# Altium PCB Ali_Main_Board.PcbDoc (part 1 of 3)
Units mm, origin at the board's own origin, x right, y up, seen from the top; angles counter-clockwise.
Board outline 180.2 x 130.2 mm, 2 copper layers (Top Layer, Bottom Layer); 286 components, 198 nets, 878 pads, 305 vias.
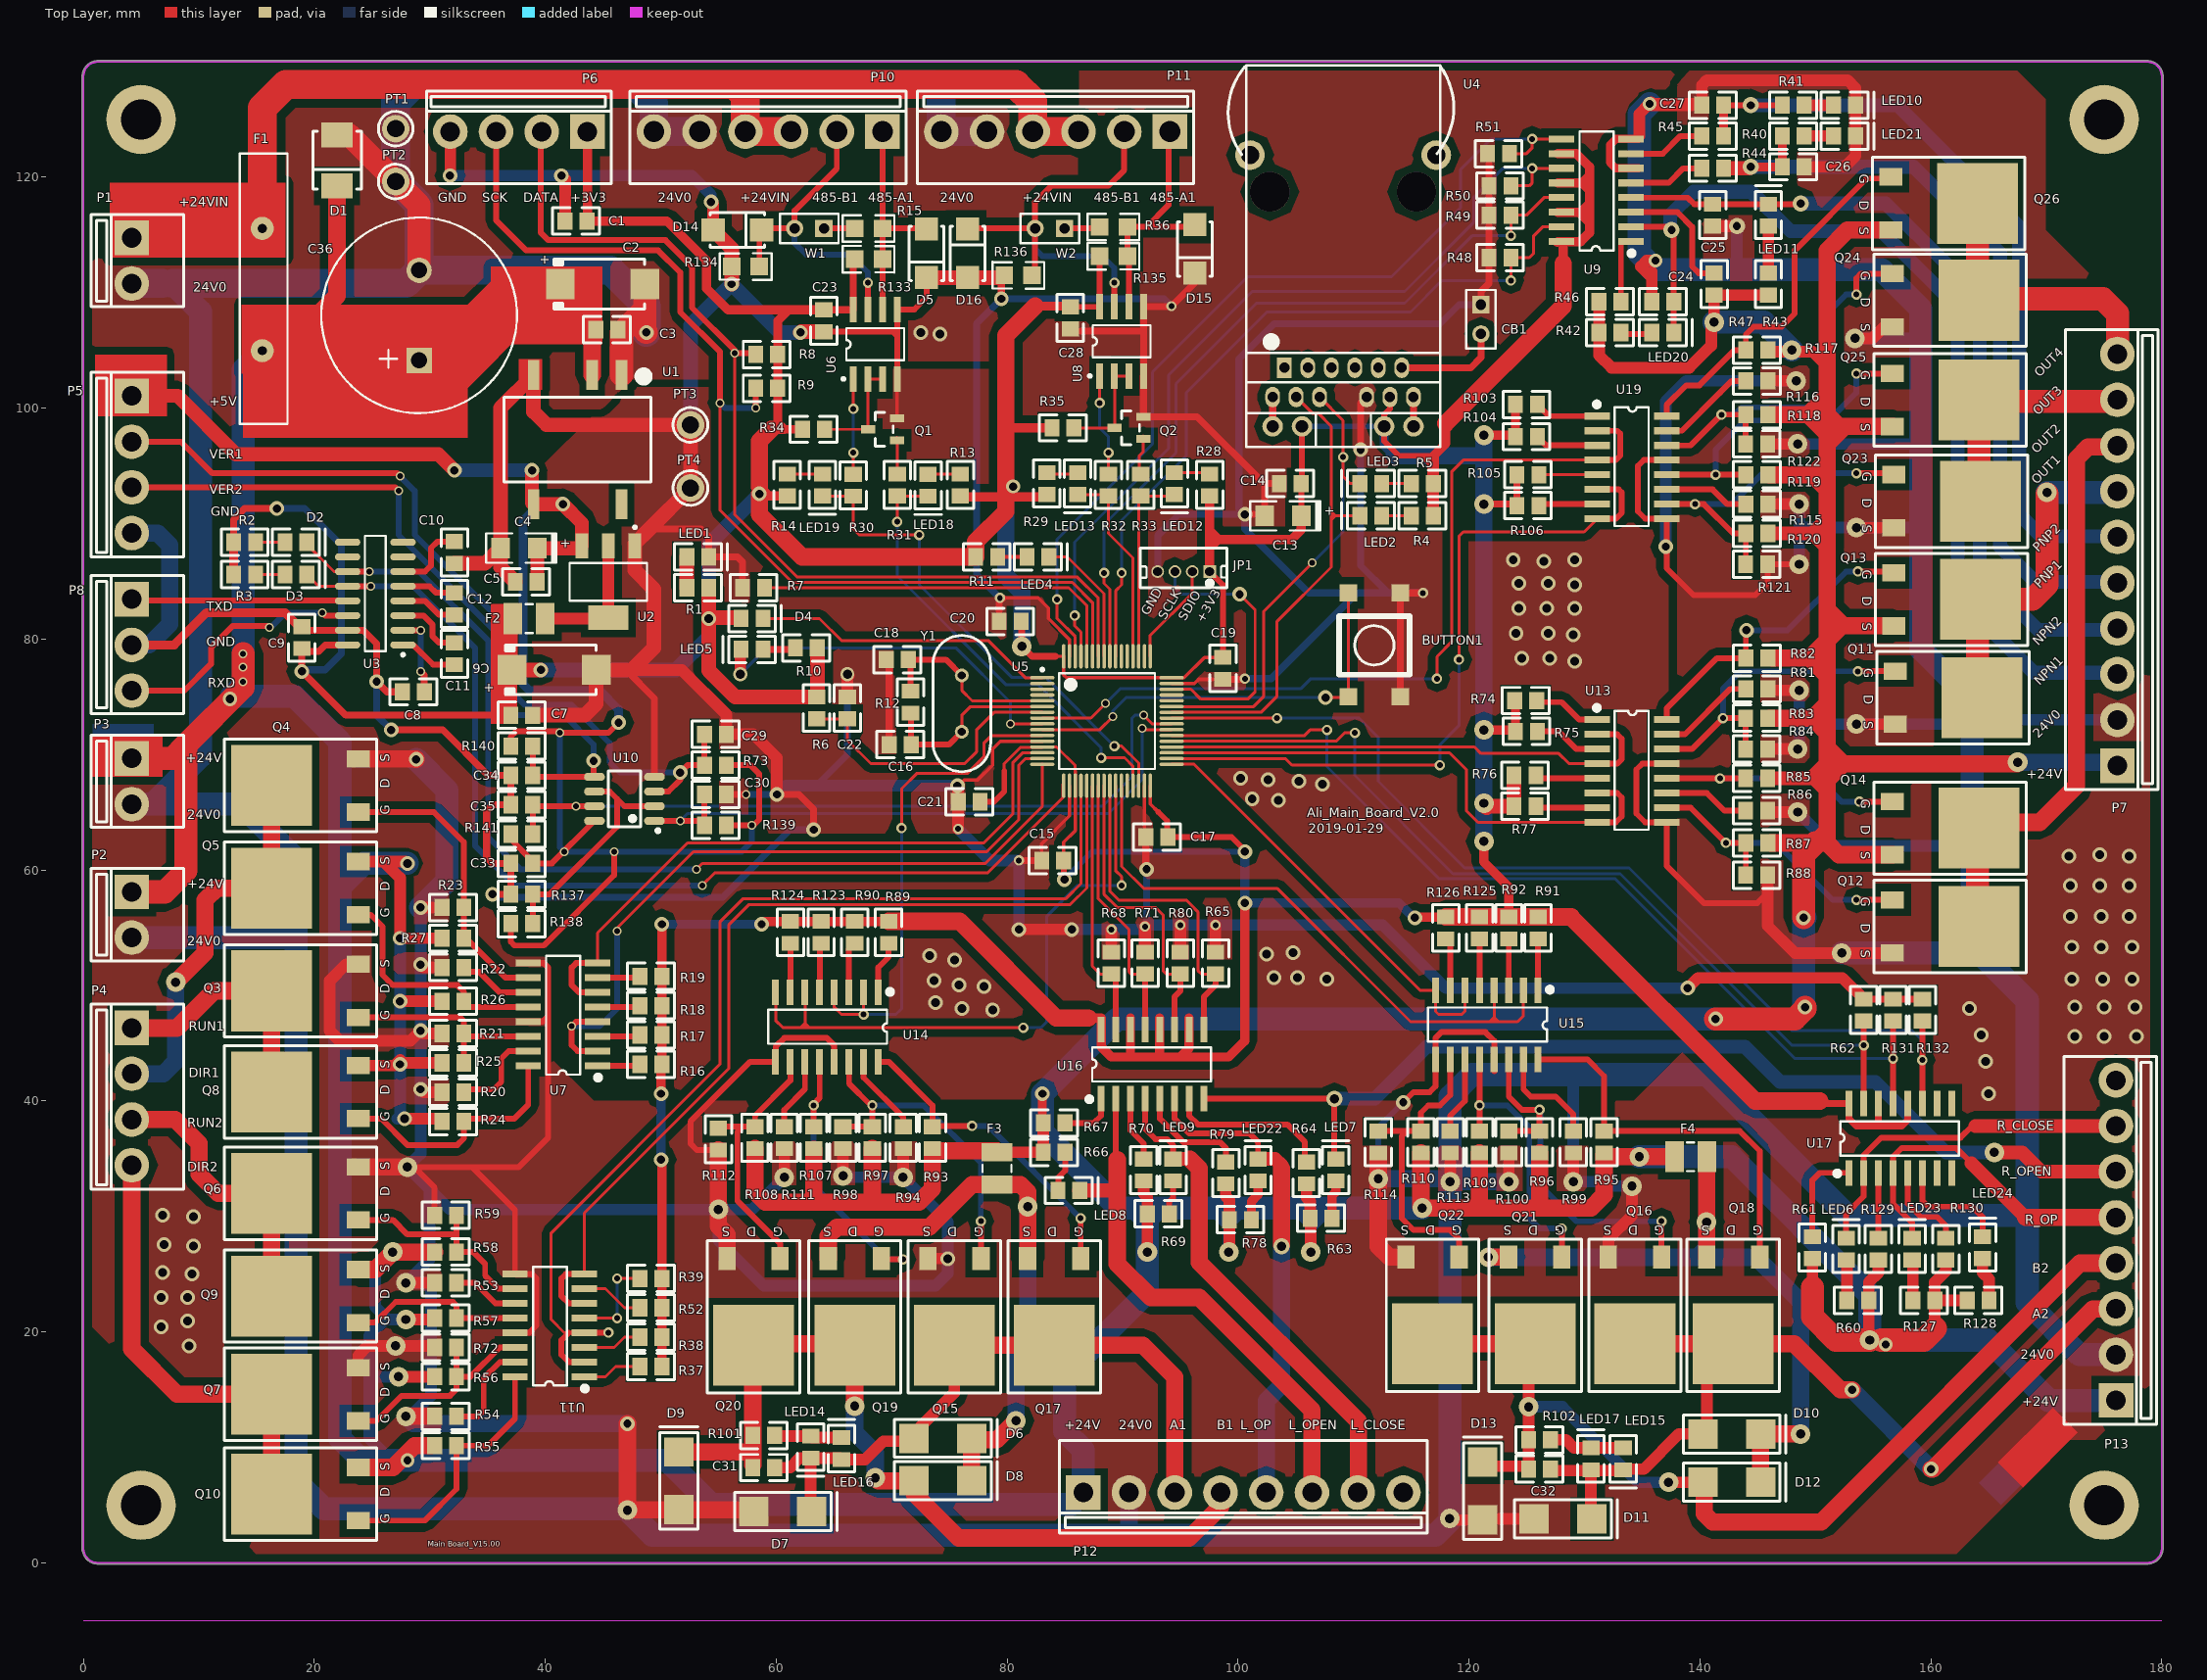
[diagram p0: Top Layer view]
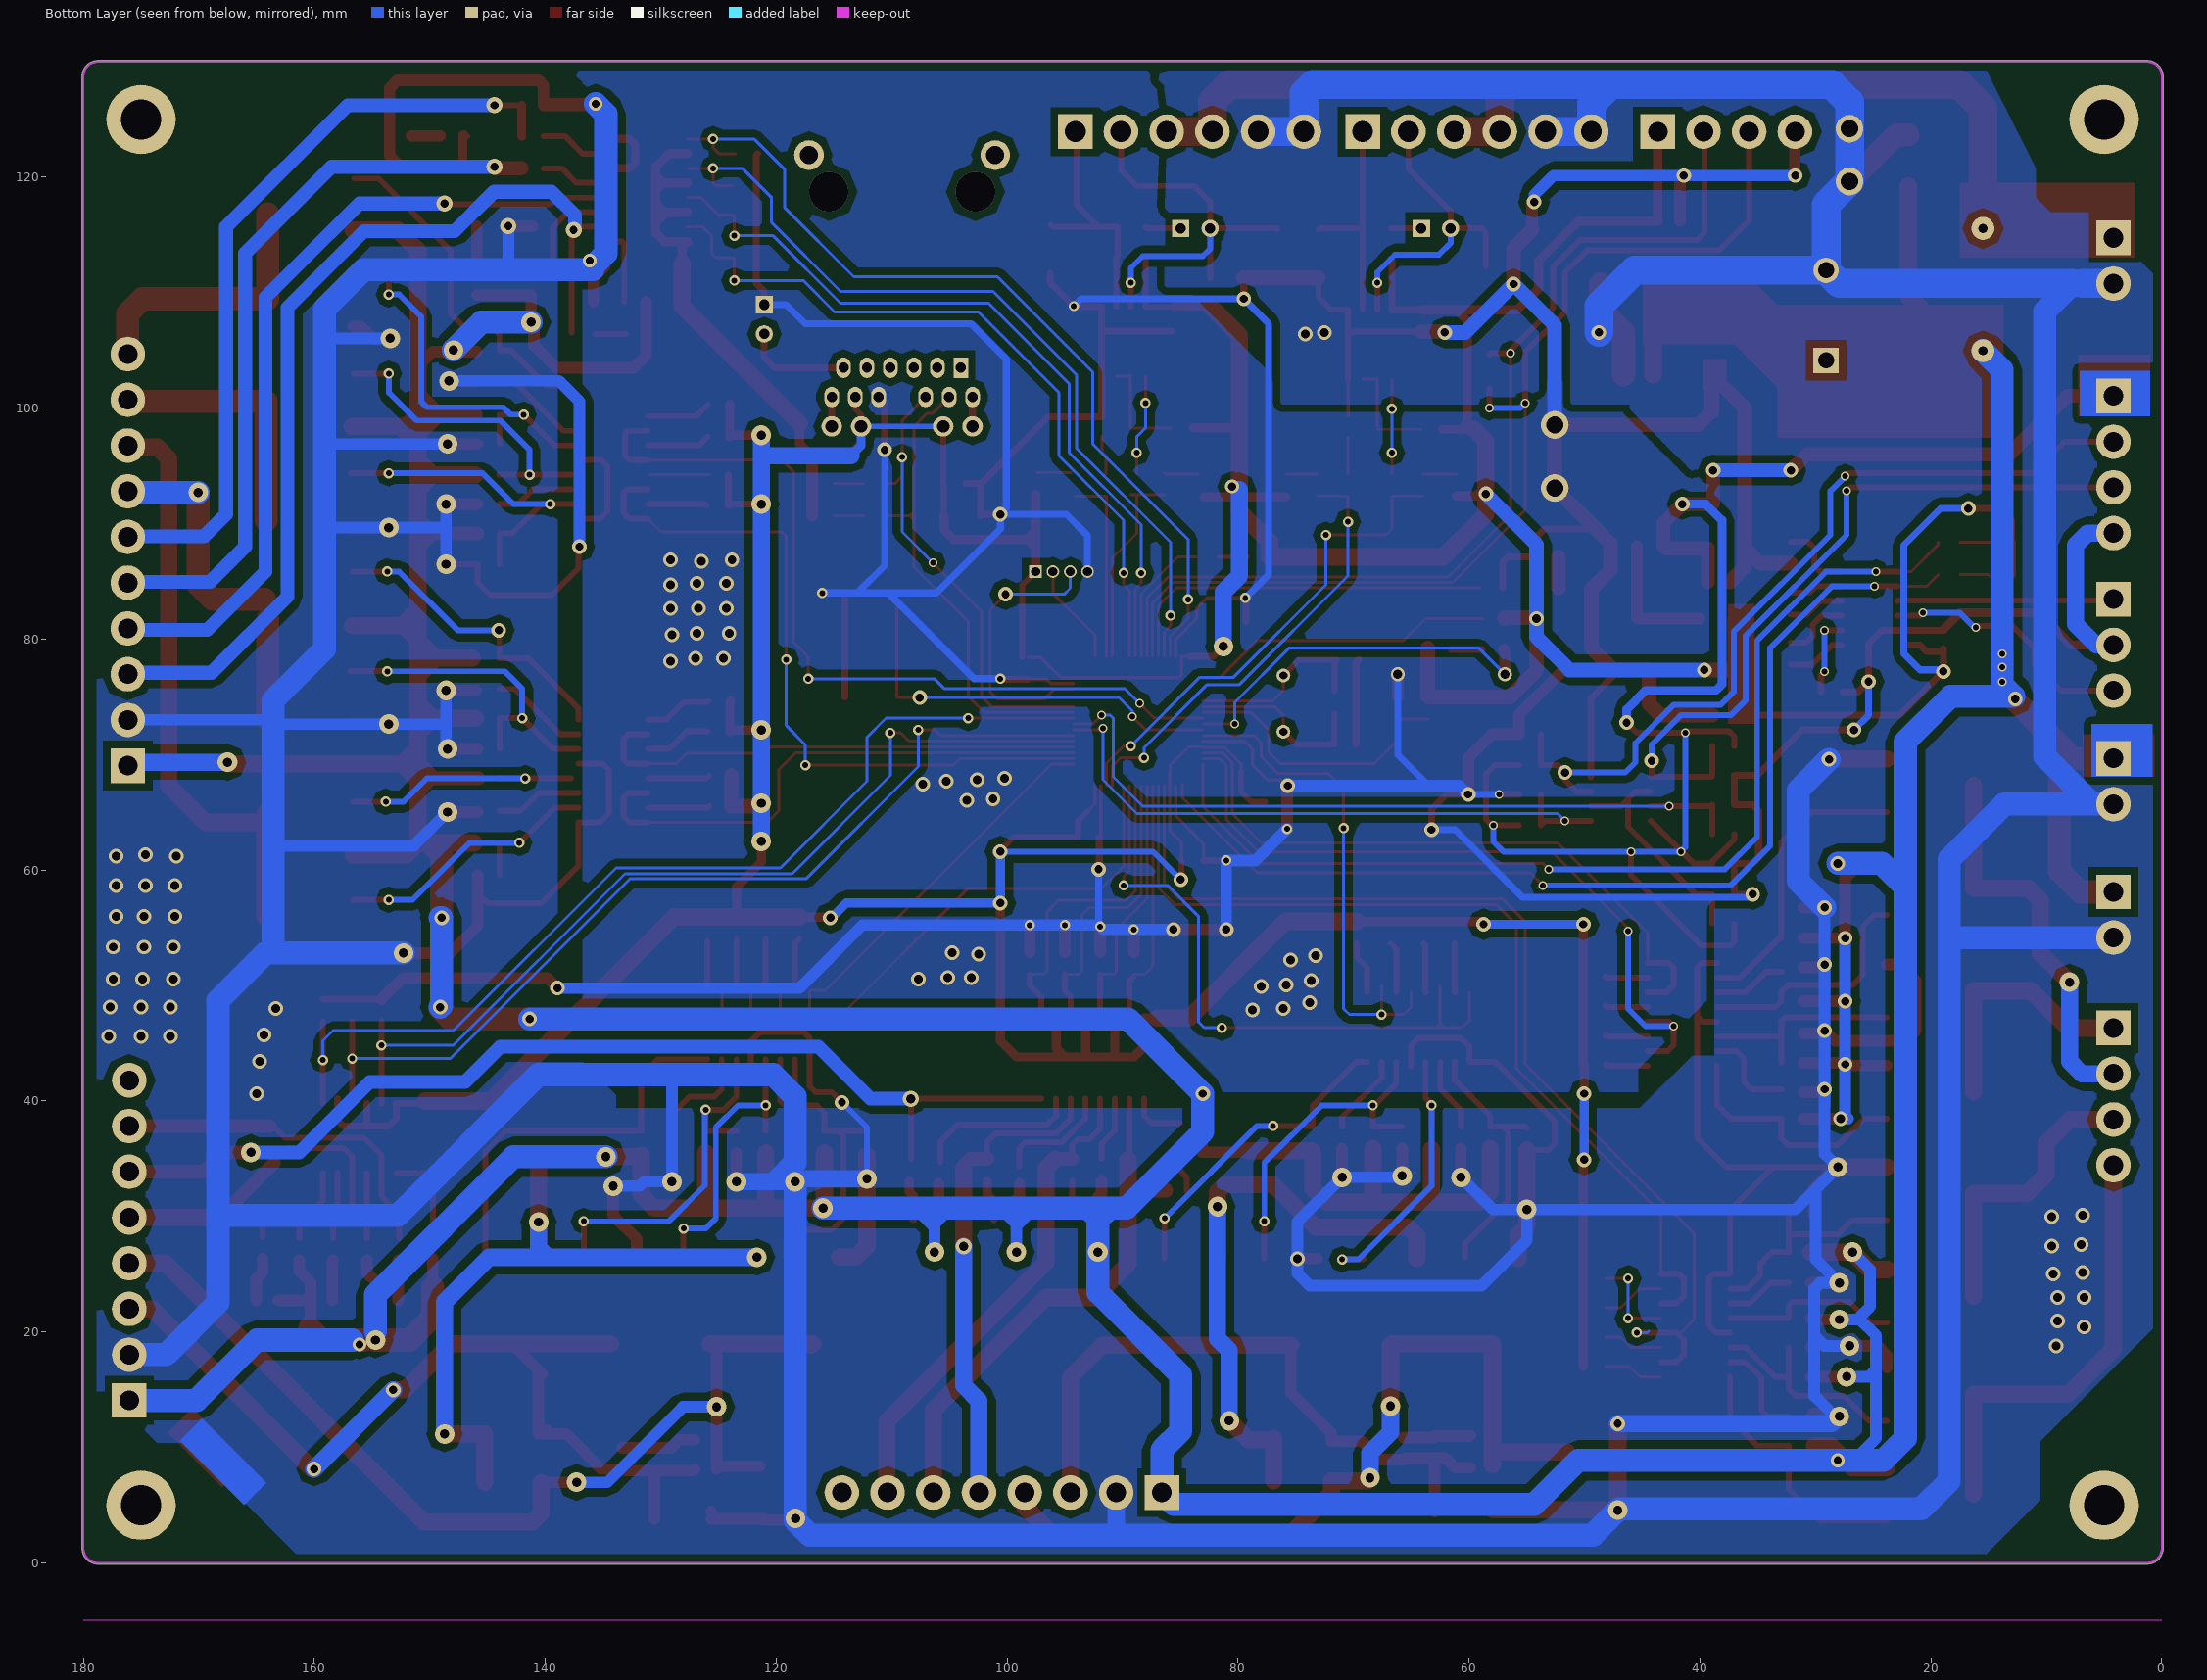
[diagram p1: Bottom Layer view, seen from below]

## Layer stack, top to bottom
Top Solder: solder mask 0.0102, Solder Resist, Dk 3.5
Top Layer: signal copper 0.0356
Dielectric1: dielectric 0.32, FR-4, Dk 4.8
Bottom Layer: signal copper 0.0356
Bottom Solder: solder mask 0.0102, Solder Resist, Dk 3.5

## Board outline
-0.089,1.098 cw(c0,1.143) -0.1,1.143 -0.1,128.73 cw(c1.27,128.73) 1.27,130.1 178.73,130.1 cw(c178.73,128.73) 180.1,128.73 180.1,1.27 cw(c178.73,1.27) 178.73,-0.1 1.27,-0.1 cw(c1.27,1.27)

## Design rules (kind name [scope] priority, off if disabled: settings)
Clearance Clearance_1 [InPolygon] p1: gap=0.635
Clearance [All] p2: gap=0.152
ComponentClearance [All] p1: gap=0 collisioncheckmode=3 verticalgap=0 showdistances=FALSE
PolygonConnect [All] p1: connectstyle=Direct reliefconductorwidth=0.254 reliefentries=4 polygonreliefangle="90 Angle" airgapwidth=0.254
RoutingVias [All] p1: holewidth=0.711 width=1.27 viastyle="Through Hole" minholewidth=0.711 minwidth=1.27 maxholewidth=0.711 maxwidth=1.27
SilkToSilkClearance [All] p1: silktosilkclearance=0
SilkToSolderMaskClearance [IsPad] p1: minsilkscreentomaskgap=0 clearancetoexposedcopper=TRUE
SolderMaskExpansion [All] p1: expansion=0.102
Width [All] p1: maxlimit=3 minlimit=0.12 preferedwidth=0.254
26 further rules are at their usual default settings.

## Components (designator, comment, footprint, x,y, rotation, side; value= is the part's Value field where it differs from the comment)
BUTTON1 "SW4" BUTTON 111.76,79.502 r270 top
C1 "100nF" 0805#1 42.672,116.205 r0 top
C2 "Cap Pol3" "CAP D-7343" 44.958,110.744 r0 top
C3 "100nF" 0805#1 45.339,106.807 r180 top
C4 "Cap Pol3" "CAP A-3216" 37.719,87.884 r180 top
C5 "100nF" 0805#1 38.354,84.963 r0 top
C6 "Cap Pol3" "CAP D-7343" 40.767,77.343 r0 top
C7 "100nF" 0805#1 37.973,73.406 r180 top
C8 "100nF" 0805#1 28.575,75.438 r180 top
C9 "100nF" 0805#1 18.923,80.137 r90 top
C10 "100nF" 0805#1 32.131,87.503 r270 top
C11 "100nF" 0805#1 32.131,78.74 r270 top
C12 "100nF" 0805#1 32.131,83.058 r90 top
C13 "Cap Pol3" "CAP A-3216" 103.886,90.678 r180 top
C14 "100nF" 0805#1 104.521,93.472 r0 top
C15 "100nF" 0805#1 83.947,60.833 r0 top
C16 "" 0805#1 70.739,70.866 r0 top
C17 "100nF" 0805#1 92.964,62.865 r0 top
C18 "" 0805#1 70.485,78.232 r0 top
C19 "100nF" 0805#1 98.679,77.47 r90 top
C20 "100nF" 0805#1 80.264,81.534 r0 top
C21 "100nF" 0805#1 76.708,65.913 r0 top
C22 "Cap" 0805#1 66.167,74.041 r270 top
C23 "100nF" 0805#1 64.135,107.569 r270 top
C24 "Cap" 0805#1 136.779,109.22 r0 top
C25 "Cap" 0805#1 141.097,116.713 r90 top
C26 "Cap" 0805#1 148.082,120.904 r180 top
C27 "Cap" 0805#1 141.097,126.238 r0 top
C28 "100nF" 0805#1 85.471,107.823 r270 top
C29 "100nF" 0805#1 54.737,71.755 r0 top
C30 "100nF" 0805#1 54.737,66.548 r180 top
C31 "100nF" 0805#1 58.928,8.255 r0 top
C32 "100nF" 0805#1 126.111,8.128 r0 top
C33 "100nF" 0805#1 37.973,60.579 r0 top
C34 "100nF" 0805#1 37.973,68.199 r180 top
C35 "100nF" 0805#1 37.973,65.659 r0 top
C36 "C_2200uF" C7.8*17 29.083,104.14 r90 top
CB1 "Circuit Breaker" HDR1X2 121.031,108.966 r270 top
D1 "SMAJ24CA" SMB(DO-214AA)_S1 21.971,121.463 r90 top
D2 "RS232_TXD" LED-0805 18.415,88.392 r0 top
D3 "RS232_RXD" LED-0805 18.415,85.598 r0 top
D4 "Diode 1N4148" LED-0805 57.912,81.788 r0 top
D5 "SMAJ6.5CA" SMA(DO-214AC)_S1 73.025,113.411 r90 top
D6 "SS54" SMA 74.422,10.795 r0 top
D7 "SS54" SMA 60.579,4.445 r0 top
D8 "SS54" SMA 74.422,7.112 r0 top
D9 "SS54" SMA 51.562,7.112 r90 top
D10 "SS54" SMA 142.748,11.176 r0 top
D11 "SS54" SMA 128.143,3.81 r0 top
D12 "SS54" SMA 142.748,6.985 r0 top
D13 "SS54" SMA 121.158,6.223 r90 top
D14 "SMAJ6.5CA" SMA(DO-214AC)_S1 56.642,115.443 r180 top
D15 "SMAJ6.5CA" SMA(DO-214AC)_S1 96.266,113.792 r90 top
D16 "SMAJ6.5CA" SMA(DO-214AC)_S1 76.581,113.411 r270 top
F1 "X30UF900" X30UF900 15.494,115.57 r270 top
F2 "Fuse 1A" 3225[1210] 38.608,81.788 r180 top
F3 "Fuse 3A" 3225[1210] 79.121,34.163 r90 top
F4 "Fuse 3A" 3225[1210] 139.192,35.179 r180 top
JP1 "4 HEADER" CON4_1.5 97.536,85.852 r180 top
LED1 "LED" LED-0805 53.213,87.122 r0 top
LED2 "TXD" LED-0805 111.492,90.678 r180 top
LED3 "RXD" LED-0805 111.492,93.472 r180 top
LED4 "TEST" LED-0805 82.677,87.122 r0 top
LED5 "WORKING" LED-0805 57.912,79.121 r180 top
LED6 "LED" LED-0805 152.654,27.178 r90 top
LED7 "LED" LED-0805 108.458,34.036 r90 top
LED8 "LED" LED-0805 85.344,32.258 r0 top
LED9 "LED" LED-0805 94.361,34.036 r90 top
LED10 "LED" LED-0805 152.527,126.238 r0 top
LED11 "LED" LED-0805 145.923,116.713 r90 top
LED12 "RS485_TXD" LED-0805 94.488,93.472 r270 top
LED13 "RS485_RXD" LED-0805 86.106,93.472 r270 top
LED14 "LED" LED-0805 62.992,10.033 r270 top
LED15 "LED" LED-0805 133.35,9.017 r270 top
LED16 "LED" LED-0805 65.659,9.906 r90 top
LED17 "LED" LED-0805 130.556,9.017 r90 top
LED18 "RS485_TXD" LED-0805 73.152,93.331 r270 top
LED19 "RS485_RXD" LED-0805 64.008,93.345 r270 top
LED20 "LED" LED-0805 136.779,106.553 r0 top
LED21 "LED" LED-0805 152.527,123.571 r0 top
LED22 "LED" LED-0805 101.727,34.036 r90 top
LED23 "LED" LED-0805 158.369,27.178 r90 top
LED24 "LED" LED-0805 164.465,27.305 r90 top
P1 "POWER" "VH3.96  2PIN" 4.191,112.776 r270 top
P2 "电动滚筒1驱动卡电源" "VH3.96  2PIN" 4.191,56.134 r270 top
P3 "电动滚筒2驱动卡电源" "VH3.96  2PIN" 4.191,67.691 r270 top
P4 "电动滚筒控制端口" "VH3.96  4PIN" 4.191,40.386 r270 top
P5 "接震动传感器" "VH3.96  4PIN" 4.191,95.123 r270 top
P6 "接温湿度传感器" "VH3.96  4PIN" 37.719,123.952 r180 top
P7 "信号输入输出端口" "VH3.96  10PIN" 176.149,86.868 r90 top
P8 "RS232" "VH3.96  3PIN" 4.191,79.502 r270 top
P10 "接1柜组水平板端口" "VH3.96  6PIN" 59.309,123.952 r180 top
P11 "接2柜组水平板端口" "VH3.96  6PIN" 84.201,123.952 r180 top
P12 "Header 8" "VH3.96  8PIN" 100.457,6.096 r0 top
P13 "Header 8" "VH3.96  8PIN" 176.022,27.94 r90 top
PT1 "24V0" PLUG 27.051,124.206 r0 top
PT2 "24V0" PLUG 27.051,119.634 r0 top
PT3 "GND" PLUG 52.578,98.552 r0 top
PT4 "GND" PLUG 52.578,93.091 r0 top
Q1 "S8050" SOT-23(SOT-23-3) 69.215,98.171 r0 top
Q2 "S8050" SOT-23(SOT-23-3) 90.551,98.298 r0 top
Q3 "FR4105 (NMOS-2)" TO-252 20.066,49.544 r90 top
Q4 "FR4105 (NMOS-2)" TO-252 20.066,67.324 r90 top
Q5 "PMOS-FR5305" TO-252 20.066,58.434 r90 top
Q6 "FR4105 (NMOS-2)" TO-252 20.066,32.004 r90 top
Q7 "FR4105 (NMOS-2)" TO-252 20.066,14.605 r90 top
Q8 "PMOS-FR5305" TO-252 20.066,40.781 r90 top
Q9 "PMOS-FR5305" TO-252 20.066,23.114 r90 top
Q10 "PMOS-FR5305" TO-252 20.066,5.969 r90 top
Q11 "FR4105 (NMOS-2)" TO-252 160.655,74.93 r270 top
Q12 "FR4105 (NMOS-2)" TO-252 160.401,55.118 r270 top
Q13 "PMOS-FR5305" TO-252 160.528,83.439 r270 top
Q14 "PMOS-FR5305" TO-252 160.401,63.627 r270 top
Q15 "FR4105 (NMOS-2)" TO-252 75.438,22.606 r180 top
Q16 "FR4105 (NMOS-2)" TO-252 134.366,22.733 r180 top
Q17 "FR5305 (PMOS-2)" TO-252 84.074,22.606 r180 top
Q18 "FR5305 (PMOS-2)" TO-252 142.875,22.733 r180 top
Q19 "FR5305 (PMOS-2)" TO-252 66.802,22.606 r180 top
Q20 "FR4105 (NMOS-2)" TO-252 58.039,22.606 r180 top
Q21 "FR5305 (PMOS-2)" TO-252 125.73,22.733 r180 top
Q22 "FR4105 (NMOS-2)" TO-252 116.84,22.733 r180 top
Q23 "FR4105 (NMOS-2)" TO-252 160.528,91.948 r270 top
Q24 "FR4105 (NMOS-2)" TO-252 160.401,109.347 r270 top
Q25 "PMOS-FR5305" TO-252 160.401,100.711 r270 top
Q26 "PMOS-FR5305" TO-252 160.274,117.729 r270 top
R1 "1K" 0805#1 53.213,84.455 r180 top
R2 "1K" 0805#1 13.97,88.392 r0 top
R3 "1K" 0805#1 13.97,85.598 r0 top
R4 "1K" 0805#1 115.951,90.678 r180 top
R5 "1K" 0805#1 115.951,93.472 r180 top
R6 "10K" 0805#1 63.5,74.041 r270 top
R7 "10K" 0805#1 58.039,84.455 r0 top
R8 "1K" 0805#1 59.182,104.648 r180 top
R9 "1K" 0805#1 59.182,101.727 r180 top
R10 "1K" 0805#1 62.611,79.248 r180 top
R11 "1K" 0805#1 78.232,87.122 r0 top
R12 "1MΩ" 0805#1 71.628,74.549 r90 top
R13 "1K" 0805#1 75.946,93.345 r90 top
R14 "1K" 0805#1 60.96,93.345 r90 top
R15 "120R" 0805#2 66.802,115.57 r0 top (schematic designator R133)
R16 "470R" 0805#1 49.149,43.18 r0 top
R17 "470R" 0805#1 49.149,45.72 r180 top
R18 "470R" 0805#1 49.149,48.26 r180 top
R19 "470R" 0805#1 49.149,50.8 r180 top
R20 "2.2K" 0805#1 32.004,40.767 r0 top
R21 "2.2K" 0805#1 32.004,45.847 r0 top
R22 "2.2K" 0805#1 32.004,51.562 r0 top
R23 "2.2K" 0805#1 32.004,56.769 r0 top
R24 "2.2K" 0805#1 32.004,38.227 r180 top
R25 "2.2K" 0805#1 32.004,43.307 r180 top
R26 "2.2K" 0805#1 32.004,48.641 r180 top
R27 "2.2K" 0805#1 32.004,54.102 r180 top
R28 "1K" 0805#1 97.536,93.345 r90 top
R29 "1K" 0805#1 83.439,93.472 r90 top
R30 "1K" 0805#1 66.675,93.331 r270 top
R31 "4.7K" 0805#1 70.485,93.345 r90 top
R32 "1K" 0805#1 88.773,93.345 r270 top
R33 "4.7K" 0805#1 91.567,93.345 r90 top
R34 "4.7K" 0805#1 63.246,98.171 r0 top
R35 "4.7K" 0805#1 84.836,98.298 r0 top
R36 "120R" 0805#2 88.011,115.697 r0 top (schematic designator R135)
R37 "470R" 0805#1 49.149,17.018 r180 top
R38 "470R" 0805#1 49.149,19.558 r180 top
R39 "470R" 0805#1 49.149,24.638 r0 top
R40 "4.7K" 0805#1 148.082,123.571 r0 top
R41 "4.7K" 0805#1 148.082,126.238 r0 top
R42 "4.7K" 0805#1 132.207,106.553 r0 top
R43 "4.7K" 0805#1 145.923,110.744 r90 top
R44 "4.7K" 0805#1 141.097,120.777 r180 top
R45 "4.7K" 0805#1 141.097,123.571 r180 top
R46 "4.7K" 0805#1 132.207,109.22 r0 top
R47 "4.7K" 0805#1 141.224,110.744 r90 top
R48 "1K" 0805#1 122.682,113.03 r0 top
R49 "1K" 0805#1 122.682,116.713 r0 top
R50 "1K" 0805#1 122.682,119.253 r0 top
R51 "1K" 0805#1 122.555,122.047 r0 top
R52 "470R" 0805#1 49.149,22.098 r180 top
R53 "2.2K" 0805#1 31.369,24.257 r0 top
R54 "2.2K" 0805#1 31.369,12.7 r0 top
R55 "2.2K" 0805#1 31.369,10.16 r180 top
R56 "2.2K" 0805#1 31.369,16.129 r180 top
R57 "2.2K" 0805#1 31.369,21.209 r180 top
R58 "2.2K" 0805#1 31.369,26.924 r180 top
R59 "2.2K" 0805#1 31.369,30.099 r0 top
R60 "4.7K" 0805#1 153.67,22.733 r180 top
R61 "4.7K" 0805#1 149.733,27.305 r90 top
R62 "1K" 0805#1 154.178,47.879 r270 top
R63 "4.7K" 0805#1 107.188,29.845 r0 top
R64 "4.7K" 0805#1 105.918,33.782 r90 top
R65 "1K" 0805#1 98.044,51.943 r270 top
R66 "4.7K" 0805#1 84.074,35.56 r0 top
R67 "4.7K" 0805#1 84.074,38.1 r0 top
R68 "1K" 0805#1 89.027,51.943 r270 top
R69 "4.7K" 0805#1 93.091,30.226 r0 top
R70 "4.7K" 0805#1 91.821,34.036 r90 top
R71 "1K" 0805#1 91.948,51.943 r270 top
R72 "2.2K" 0805#1 31.369,18.669 r0 top
R73 "1K" 0805#1 54.737,69.088 r180 top
R74 "470R" 0805#1 124.902,74.676 r180 top
R75 "470R" 0805#1 124.968,72.009 r180 top
R76 "470R" 0805#1 124.841,68.199 r180 top
R77 "470R" 0805#1 124.841,65.532 r180 top
R78 "4.7K" 0805#1 100.203,29.718 r0 top
R79 "4.7K" 0805#1 98.933,33.782 r90 top
R80 "1K" 0805#1 94.996,51.943 r270 top
R81 "2.2K" 0805#1 144.921,75.692 r180 top
R82 "2.2K" 0805#1 144.921,78.359 r0 top
R83 "2.2K" 0805#1 144.907,73.152 r0 top
R84 "2.2K" 0805#1 144.907,70.485 r180 top
R85 "2.2K" 0805#1 144.907,67.945 r0 top
R86 "2.2K" 0805#1 144.907,65.151 r180 top
R87 "2.2K" 0805#1 144.921,62.357 r0 top
R88 "2.2K" 0805#1 144.907,59.563 r180 top
R89 "470R" 0805#1 69.737,54.61 r270 top
R90 "470R" 0805#1 66.802,54.61 r270 top
R91 "470R" 0805#1 125.984,54.991 r270 top
R92 "470R" 0805#1 123.444,54.991 r270 top
R93 "2.2K" 0805#1 73.533,36.83 r270 top
R94 "2.2K" 0805#1 71.007,36.83 r90 top
R95 "2.2K" 0805#1 131.699,36.449 r270 top
R96 "2.2K" 0805#1 126.111,36.449 r270 top
R97 "2.2K" 0805#1 68.326,36.83 r270 top
R98 "2.2K" 0805#1 65.786,36.83 r90 top
R99 "2.2K" 0805#1 129.032,36.449 r90 top
R100 "2.2K" 0805#1 123.444,36.449 r90 top
R101 "10K" 0805#1 58.928,11.049 r0 top
R102 "10K" 0805#1 126.111,10.668 r0 top
R103 "470R" 0805#1 124.968,100.33 r180 top
R104 "470R" 0805#1 124.968,97.536 r180 top
R105 "470R" 0805#1 125.095,94.234 r180 top
R106 "470R" 0805#1 125.095,91.567 r180 top
R107 "2.2K" 0805#1 63.246,36.83 r270 top
R108 "2.2K" 0805#1 58.166,36.83 r270 top
R109 "2.2K" 0805#1 120.904,36.449 r270 top
R110 "2.2K" 0805#1 115.824,36.449 r270 top
R111 "2.2K" 0805#1 60.706,36.83 r90 top
R112 "2.2K" 0805#1 54.991,36.703 r90 top
R113 "2.2K" 0805#1 118.364,36.449 r90 top
R114 "2.2K" 0805#1 112.141,36.449 r90 top
R115 "2.2K" 0805#1 144.921,91.694 r180 top
R116 "2.2K" 0805#1 144.921,102.362 r180 top
R117 "2.2K" 0805#1 144.921,105.029 r0 top
R118 "2.2K" 0805#1 144.921,99.441 r0 top
R119 "2.2K" 0805#1 144.921,94.234 r0 top
R120 "2.2K" 0805#1 144.921,89.154 r0 top
R121 "2.2K" 0805#1 144.907,86.487 r180 top
R122 "2.2K" 0805#1 144.907,96.901 r180 top
R123 "Res2" 0805#1 63.895,54.61 r90 top
R124 "Res2" 0805#1 61.228,54.61 r90 top
R125 "470R" 0805#1 120.904,54.991 r270 top
R126 "470R" 0805#1 117.983,54.991 r270 top
R127 "4.7K" 0805#1 159.385,22.733 r180 top
R128 "4.7K" 0805#1 164.084,22.733 r0 top
R129 "4.7K" 0805#1 155.448,27.178 r90 top
R130 "4.7K" 0805#1 161.29,27.178 r90 top
R131 "1K" 0805#1 156.718,47.879 r270 top
R132 "1K" 0805#1 159.258,47.879 r270 top
R133 "4.7K" 0805#2 66.802,112.903 r0 top
R134 "4.7K" 0805#2 58.547,112.268 r180 top
R135 "4.7K" 0805#2 88.011,113.157 r0 top
R136 "4.7K" 0805#2 82.169,111.506 r180 top
R137 "10K" 0805#1 37.973,57.912 r180 top
R138 "10K" 0805#1 37.973,55.372 r180 top
R139 "10K" 0805#1 54.737,63.881 r0 top
R140 "1K" 0805#1 37.973,70.739 r0 top
R141 "10K" 0805#1 37.973,63.119 r180 top
U1 "B2405XT-2WR2" B2405XT-2WR2 42.799,97.282 r180 top
U2 "AMS1117-3.3" SOT223 45.466,84.963 r180 top
U3 "MAX3232CSE" SOIC-16_150mil 27.686,79.502 r180 top
U4 "USR-K" USR-K 109.093,113.665 r90 top
U5 "STM32F103RCT6" LQFP64_M 88.646,72.912 r0 top locked
U6 "MAX3485" AT24C512 68.58,105.537 r90 top
U7 "TLP280-4" SO16#1 41.529,47.498 r180 top
U8 "MAX3485" AT24C512 89.916,105.791 r90 top
U9 "TLP280-4" SO16#2 134.021,114.427 r180 top
U10 "LM293" SOIC-8_150mil 46.863,66.167 r90 top
U11 "TLP280-4" SO16#1 40.386,20.574 r180 top
U13 "TLP280-4" SO16#1 134.112,68.58 r0 top
U14 "TLP280-4" SO16#2 68.834,49.403 r270 top
U15 "TLP280-4" SO16#2 125.984,49.601 r270 top
U16 "TLP280-4" SO16#2 88.138,40.202 r90 top
U17 "TLP280-4" SO16#2 152.908,33.782 r90 top
U19 "TLP280-4" SO16#1 134.112,94.869 r0 top
W1 "Jumper" HDR1X2 64.135,115.57 r180 top
W2 "Jumper" HDR1X2 84.963,115.57 r180 top
Y1 "8M" XTAL 76.073,74.422 r270 top

## Footprints (in the part's own frame and the unit in brackets; to place one, negate y for a bottom-side part, rotate by r counter-clockwise, add the part's x,y. Pads: shape width x height; smd on the part's side, far side on the other; paste and mask are expansions set on the pad)
0805#1 [mm]
  rect 1.3x1.5 smd: 1(-0.95,0) 2(0.95,0)
  silkscreen extent -2.03,-1.14 2.03,1.14
0805#2 [mm]
  rect 1.524x1.5 smd: 1(0,0) 2(2.413,0)
  silkscreen extent -1.05,-1.16 3.43,1.15
3225[1210] [mm]
  rect 1.6x2.7 smd: 1(-1.4,0) 2(1.4,0)
  silkscreen extent -0.3,-1.25 0.3,1.25
AT24C512 [mm]
  rect 2.2x0.6 smd: 1(-3,1.905) 2(-3,0.635) 3(-3,-0.635) 4(-3,-1.905) 5(3,-1.905) 6(3,-0.635) 7(3,0.635) 8(3,1.905)
  silkscreen extent -3.12,-2.5 1.4,2.88
B2405XT-2WR2 [mm]
  rect 1x2.6 smd: 1(-3.81,-5.6) 2(-1.27,-5.6) 4(3.81,-5.6) 5(3.81,5.6) 8(-3.81,5.6)
  silkscreen extent -6.35,-5.74 6.35,3.68
BUTTON [mm]
  rect 1.5x1.5 smd: 1(4.5,-2.211) 2(-4.5,-2.211) 3(4.5,2.289) 4(-4.5,2.289)
  silkscreen extent -2.5,-3.01 2.58,3.09
C7.8*17 [mm]
  rect 2.2x2.2 hole 1.4: 1(0,0)
  round 2.2 hole 1.4: 2(7.8,0)
  silkscreen extent -4.57,-8.47 12.37,8.47
"CAP A-3216" [mm]
  rect 1.6x1.8 smd: 1(-1.6,0) 2(1.6,0)
  silkscreen extent -3.25,-1.27 2.85,1.27
"CAP D-7343" [mm]
  rect 2.5x2.6 smd: 1(-3.65,0) 2(3.65,0)
  silkscreen extent -4.19,-2.15 3.65,2.15
CON4_1.5 [mm]
  rect 1.1x1.1 hole 0.8: 1(0,0)
  round 1.1 hole 0.8: 2(1.5,0) 3(3,0) 4(4.5,0)
  silkscreen extent -1.5,-2.03 6,1.4
HDR1X2 [mm] "Connector; Header; 2 Position"
  rect 1.5x1.5 hole 0.9: 1(0,0)
  round 1.5 hole 0.9: 2(2.54,0)
  silkscreen extent -1.27,-1.27 3.81,1.27
LED-0805 [mm]
  rect 1.3x1.5 smd: 1(-0.95,0) 2(0.95,0)
  silkscreen extent -2.03,-1.14 2.54,1.14
LQFP64_M [mm]
  oval 2.1x0.3 smd: 1(-5.6,3.75) 2(-5.6,3.25) 3(-5.6,2.75) 4(-5.6,2.25) 5(-5.6,1.75) 6(-5.6,1.25) 7(-5.6,0.75) 8(-5.6,0.25) 9(-5.6,-0.25) 10(-5.6,-0.75) 11(-5.6,-1.25) 12(-5.6,-1.75) 13(-5.6,-2.25) 14(-5.6,-2.75) 15(-5.6,-3.25) 16(-5.6,-3.75) 33(5.6,-3.75) 34(5.6,-3.25) 35(5.6,-2.75) 36(5.6,-2.25) 37(5.6,-1.75) 38(5.6,-1.25) 39(5.6,-0.75) 40(5.6,-0.25) 41(5.6,0.25) 42(5.6,0.75) 43(5.6,1.25) 44(5.6,1.75) 45(5.6,2.25) 46(5.6,2.75) 47(5.6,3.25) 48(5.6,3.75)
  oval 0.3x2.1 smd: 17(-3.75,-5.6) 18(-3.25,-5.6) 19(-2.75,-5.6) 20(-2.25,-5.6) 21(-1.75,-5.6) 22(-1.25,-5.6) 23(-0.75,-5.6) 24(-0.25,-5.6) 25(0.25,-5.6) 26(0.75,-5.6) 27(1.25,-5.6) 28(1.75,-5.6) 29(2.25,-5.6) 30(2.75,-5.6) 31(3.25,-5.6) 32(3.75,-5.6) 49(3.75,5.6) 50(3.25,5.6) 51(2.75,5.6) 52(2.25,5.6) 53(1.75,5.6) 54(1.25,5.6) 55(0.75,5.6) 56(0.25,5.6) 57(-0.25,5.6) 58(-0.75,5.6) 59(-1.25,5.6) 60(-1.75,5.6) 61(-2.25,5.6) 62(-2.75,5.6) 63(-3.25,5.6) 64(-3.75,5.6)
  silkscreen extent -5.72,-4.15 4.15,4.57, body extent -5,-5 5,5, height 1.6
PLUG [mm]
  round 2.4 hole 1.5: 1(0,0)
  silkscreen extent -1.5,-1.5 1.5,1.5
SMA [mm] "wide = 5.0mm"
  rect 2.54x2.54 smd: 1(-2.5,0) 2(2.5,0)
  silkscreen extent -4.19,-1.65 4.7,1.65
SMA(DO-214AC)_S1 [mm]
  rect 2x2 smd: 1(2.1,0) 2(-2.1,0)
  silkscreen extent -2.35,-1.5 2.35,1.5
SMB(DO-214AA)_S1 [mm]
  rect 2.159x2.743 smd: 1(2.21,0) 2(-2.21,0)
  silkscreen extent -2.5,-2.1 2.5,2.1
SO16#1 [mm] "Wide = 6mm"
  rect 2.2x0.6 smd: 1(-3,4.445) 2(-3,3.175) 3(-3,1.905) 4(-3,0.635) 5(-3,-0.635) 6(-3,-1.905) 7(-3,-3.175) 8(-3,-4.445) 9(3,-4.445) 10(3,-3.175) 11(3,-1.905) 12(3,-0.635) 13(3,0.635) 14(3,1.905) 15(3,3.175) 16(3,4.445)
  silkscreen extent -3.23,-5.08 1.45,5.64
SO16#2 [mm]
  rect 2.2x0.6 smd: 1(0,0) 2(0,-1.27) 3(0,-2.54) 4(0,-3.81) 5(0,-5.08) 6(0,-6.35) 7(0,-7.62) 8(0,-8.89) 9(6,-8.89) 10(6,-7.62) 11(6,-6.35) 12(6,-5.08) 13(6,-3.81) 14(6,-2.54) 15(6,-1.27) 16(6,0)
  silkscreen extent -0.23,-9.53 4.45,1.2
SOIC-8_150mil [mm]
  oval 0.7x1.8 smd: 1(-1.905,-2.6) 2(-0.635,-2.6) 3(0.635,-2.6) 4(1.905,-2.6) 5(1.905,2.6) 6(0.635,2.6) 7(-0.635,2.6) 8(-1.905,2.6)
  silkscreen extent -2.9,-3.05 2.4,1.4
SOIC-16_150mil [mm]
  oval 2.2x0.6 smd: 1(0,0) 2(0,-1.27) 3(0,-2.54) 4(0,-3.81) 5(0,-5.08) 6(0,-6.35) 7(0,-7.62) 8(0,-8.89) 9(4.8,-8.89) 10(4.8,-7.62) 11(4.8,-6.35) 12(4.8,-5.08) 13(4.8,-3.81) 14(4.8,-2.54) 15(4.8,-1.27) 16(4.8,0)
  silkscreen extent -0.13,-9.45 3.3,0.97, body extent 0.45,-9.4 4.35,0.51, height 1.75
SOT223 [mm]
  rect 1.1x2.15 smd: 1(-2.3,-3.1) 2(0,-3.1) 3(2.3,-3.1)
  rect 3.5x2.15 smd: 4(0,3.1)
  silkscreen extent -3.35,-4.85 3.35,1.63
SOT-23(SOT-23-3) [mm]
  rect 1.25x0.7 smd: 1(1.25,-0.95) 2(1.25,0.95) 3(-1.25,0)
  silkscreen extent -0.65,-1.46 0.9,1.46, body extent -1.5,-1.5 1.5,1.5, height 1.3
TO-252 [mm] "P-Channel Power MOSFET"
  rect 1.5x2 smd: 1(-2.3,-3.75) 3(2.3,-3.75)
  rect 7x7 smd: 2(0,3.75)
  silkscreen extent -4,-5.32 4,7.87
USR-K [mil]
  rect 70x50 hole 35 mask+2: 1(-400,200)
  oval 70x50 hole 35 mask+2: 2(-400,120) 3(-400,40) 4(-400,-40) 5(-400,-120) 6(-400,-200) 7(-500,240) 8(-500,160) 9(-500,80) 10(-500,-80) 11(-500,-160) 12(-500,-240)
  round 70 hole 43 mask+2: 13(-600,240) 14(-600,140) 15(-600,-140) 16(-600,-240)
  round 101.18 hole 61.81 mask+2: 17(325,-317.5) 17(325,317.5)
  silkscreen extent -670,-377 630,392
"VH3.96  2PIN" [mm]
  rect 3x3 hole 1.7: 1(-1.98,0)
  round 3 hole 1.7: 2(1.98,0)
  silkscreen extent -4,-3.5 4,4.5
"VH3.96  3PIN" [mm]
  rect 3x3 hole 1.7: 1(-3.96,0)
  round 3 hole 1.7: 2(0,0) 3(3.96,0)
  silkscreen extent -6.02,-3.5 5.97,4.5
"VH3.96  4PIN" [mm]
  rect 3x3 hole 1.7: 1(-5.94,0)
  round 3 hole 1.7: 2(-1.98,0) 3(1.98,0) 4(5.94,0)
  silkscreen extent -8,-3.5 8,4.5
"VH3.96  6PIN" [mm]
  rect 3x3 hole 1.8: 1(-9.9,0)
  round 3 hole 1.8: 2(-5.94,0) 3(-1.98,0) 4(1.98,0) 5(5.94,0) 6(9.9,0)
  silkscreen extent -11.96,-3.5 11.96,4.5
"VH3.96  8PIN" [mm]
  rect 3x3 hole 1.7: 1(-13.86,0)
  round 3 hole 1.7: 2(-9.9,0) 3(-5.94,0) 4(-1.98,0) 5(1.98,0) 6(5.94,0) 7(9.9,0) 8(13.86,0)
  silkscreen extent -15.92,-3.5 15.9,4.5
"VH3.96  10PIN" [mm]
  rect 3x3 hole 1.7: 1(-17.82,0)
  round 3 hole 1.7: 2(-13.86,0) 3(-9.9,0) 4(-5.94,0) 5(-1.98,0) 6(1.98,0) 7(5.94,0) 8(9.9,0) 9(13.86,0) 10(17.82,0)
  silkscreen extent -19.88,-3.5 19.92,4.5
X30UF900 [mm]
  round 2 hole 0.8: 1(0,0) 2(10.592,0)
  silkscreen extent -6.48,-1.96 16.94,2.18
XTAL [mm]
  round 1.2 hole 0.711: 1(-2.44,0) 2(2.44,0)
  silkscreen extent -5.9,-2.5 5.9,2.5

## Part data
C1 C3 C5 C7 C8 C9 C10 C11 C12 C14 C15 C16 C17 C18 C19 C20 C21 C23 C28 C29 C30 C31 C32 C33 C34 C35: library part Cap, "Capacitor"
C2 C4 C6 C13: "Polarized Capacitor (Surface Mount)"
C22 C24 C25 C26 C27: "Capacitor"
D1 D5 D14 D15 D16: library part "SMB/DO-214AA P6SMB6.8CA", "TVS"
D2 D3 LED2 LED3 LED4 LED6 LED7 LED8 LED9 LED10 LED11 LED12 LED13 LED14 LED15 LED16 LED17 LED18 LED19 LED20 LED21 LED22 LED23 LED24: library part LED2, "Typical RED, GREEN, YELLOW, AMBER GaAs LED"
D4: "High Conductance Fast Diode"
D6 D7 D8 D9 D10 D11 D12 D13: library part "Diode 1N4148", "High Conductance Fast Diode"
F1 F2 F3 F4: library part "Fuse 1", "Fuse"
JP1: "4 Pin Header"
LED5: library part LED
P1 P2 P3: library part "Header 2", "Header, 2-Pin"
P4 P5 P6: library part "Header 4", "Header, 4-Pin"
P7: library part "Header 10", "Header, 10-Pin"
P8: library part "Header 3", "Header, 3-Pin"
P10 P11: library part "Header 6", "Header, 6-Pin"
P12 P13: "Header, 8-Pin"
PT1 PT2 PT3 PT4: library part Plug, "Plug"
Q1 Q2: library part "SOT-23 SS8050 Y1", "三极管"
Q3 Q4 Q6 Q7 Q11 Q12 Q15 Q16 Q20 Q22 Q23 Q24: library part NMOS-2, "N-Channel Power MOSFET"
Q5 Q8 Q9 Q10 Q13 Q14 Q17 Q18 Q19 Q21 Q25 Q26: library part PMOS-2, "P-Channel Power MOSFET"
R1 R2 R3 R4 R5 R6 R7 R8 R9 R10 R11 R12 R13 R14 R15 R16 R17 R18 R19 R20 R21 R22 R23 R24 R25 R26 R27 R28 R29 R30 R31 R32 R33 R34 R35 R36 R37 R38 R39 R40 R41 R42 R43 R44 R45 R46 R47 R48 R49 R50 R51 R52 R53 R54 R55 R56 R57 R58 R59 R60 R61 R62 R63 R64 R65 R66 R67 R68 R69 R70 R71 R72 R73 R74 R75 R76 R77 R78 R79 R80 R81 R82 R83 R84 R85 R86 R87 R88 R89 R90 R91 R92 R93 R94 R95 R96 R97 R98 R99 R100 R101 R102 R103 R104 R105 R106 R107 R108 R109 R110 R111 R112 R113 R114 R115 R116 R117 R118 R119 R120 R121 R122 R125 R126 R127 R128 R129 R130 R131 R132 R133 R134 R135 R136 R137 R138 R139 R140 R141: library part Res2, "Resistor"
R123 R124: "Resistor"
U2: library part AMS1117-5
U3: "3.0V TO 5.5V, Low-Power, up to 1Mbps, True RS-232 Transceiver Using Four 0.1礔 External Capacitor"
U6 U8: library part MAX485CSA, "Low-Power, Slew-Rate-Limited RS-485/RS-422 Transceiver"
U7 U9 U11 U13 U14 U15 U16 U17 U19: library part TLP521-4
W1 W2: "Jumper Wire"
Y1: library part XTAL_1

## Free pads (board coordinates)
  round 6 hole 3.5: 1(5,5) 1(5,125) 1(175,5) 1(175,125)

## Via types
v1: diameter 1.27, hole 0.762, Top Layer to Bottom Layer, 77 vias
v2: diameter 0.889, hole 0.508, Top Layer to Bottom Layer, 68 vias
v3: diameter 1.27, hole 0.711, Top Layer to Bottom Layer, 57 vias
v4: diameter 1.7, hole 0.8, Top Layer to Bottom Layer, 56 vias
v5: diameter 0.762, hole 0.508, Top Layer to Bottom Layer, 31 vias
v6: diameter 1.2, hole 0.7, Top Layer to Bottom Layer, 5 vias
v7: diameter 1.4, hole 0.7, Top Layer to Bottom Layer, 5 vias
v8: diameter 1.2, hole 0.8, Top Layer to Bottom Layer, 2 vias
v9: diameter 1.4, hole 0.8, Top Layer to Bottom Layer, 2 vias
v10: diameter 3.4, hole 3.4, Top Layer to Bottom Layer, 2 vias

## Nets (pads, with @x,y where several pads share a name; then routed paths per layer and width w, separated by ;. In a path a pad name is that pad's centre, name@x,y a point inside that pad or via, vN(x,y) a via of type N, cw(c..) or ccw(c..) an arc to the next point about the centre after c; other vN are vias at no path point)
2V5: R137.1 R138.1 U10.2 U10.6 | length 20.4
  Top Layer w0.5: R138.1@38.923,55.372 R137.1@38.923,57.912 40.386,57.912 46.228,63.754 46.228,66.167 ; U10.6@44.263,66.802 45.593,66.802 46.228,66.167 ; U10.2@49.463,65.532 46.863,65.532 46.228,66.167
24V0: C2.2 C3.1 C24.1 C25.1 C26.1 C27.1 C36.2 D1.1 D7.1 D9.1 D11.1 D13.1 LED10.2 LED21.2 P1.2 P2.2 P3.2 P7.2 P10.5 P10.6 P11.5 P11.6 P12.2 P13.2 PT1.1 PT2.1 Q3.3 Q4.3 Q6.3 Q7.3 Q11.3 Q12.3 Q15.3 Q16.3 Q20.3 Q22.3 Q23.3 Q24.3 R20.1 R21.1 R22.1 R23.1 R53.1 R54.1 R59.1 R72.1 R81.1 R84.1 R86.1 R88.1 R94.1 R98.1 R99.1 R100.1 R111.1 R112.1 R113.1 R114.1 R115.1 R116.1 R121.1 R122.1 U1.1 U7.9 U7.13 U9.6 U9.8 U11.9 U11.13 U13.9 U13.13 U14.9 U14.13 U15.9 U15.13 U19.9 U19.13 | length 1297.3
  Top Layer w0.5: v4@28.641,34.29 33.401,34.29 ; 33.655,34.29 37.386,30.559 U11.9@37.386,25.019 38.862,25.019 39.243,24.638 39.243,20.574 38.608,19.939 U11.13@37.386,19.939 ; U13.13@137.112,69.215 135.001,69.215 134.493,68.707 134.493,64.897 135.255,64.135 U13.9@137.112,64.135 137.112,60.373 140.335,57.15 144.968,57.15 145.857,58.039 ; U19.13@137.112,95.504 135.128,95.504 134.62,94.996 134.62,91.059 135.255,90.424 U19.9@137.112,90.424 137.112,88.011 137.112,86.154 139.446,83.82 144.78,83.82 145.857,84.897 R121.1@145.857,86.487 v4(148.59,86.487)
  Top Layer w0.508: v4(28.067,34.29) 28.641,34.29 30.419,32.512 R59.1@30.419,30.099 ; 33.401,34.29 33.655,34.29 37.719,34.29 40.259,36.83 40.259,47.371 ; U7.13@38.529,46.863 39.751,46.863 40.259,47.371 ; U7.9@38.529,51.943 39.878,51.943 40.259,51.562 40.259,47.371 ; R112.1@54.991,35.753 53.147,35.753 52.578,36.322 52.578,38.227 57.754,43.403 U14.9@59.944,43.403 59.958,43.403 59.958,44.718 60.706,45.466 64.389,45.466 65.038,44.817 U14.13@65.038,42.982 ; v3(114.3,39.878) 115.189,40.767 116.586,40.767 117.094,41.275 U15.9@117.094,43.601 117.094,45.466 117.602,45.974 121.412,45.974 122.174,45.212 U15.13@122.174,43.601 U15.13@122.174,42.601
  Top Layer w0.7: U9.6@134.691,120.777 132.715,120.777 132.207,121.285 132.207,122.809 132.715,123.317 U9.8@134.691,123.317
  Top Layer w1: Q7.3@23.816,16.905 23.816,17.974 24.638,18.796 v4(27.051,18.796) 30.292,18.796 R72.1@30.419,18.669 ; Q6.3@23.816,34.304 Q6.3@23.83,34.29 ; v4(27.94,24.257) R53.1@30.419,24.257 ; v4(47.117,4.572) v4@47.157,4.612 ; D7.1@57.912,4.612 D7.1@58.079,4.445 ; v4(60.706,33.401) R111.1@60.706,35.88 ; v4(65.786,33.528) R98.1@65.786,35.88 ; v4(70.993,33.401) 71.007,33.415 R94.1@71.007,35.88 ; Q15.3@73.138,26.356 v1(74.863,26.356) ; v4(118.364,33.02) R113.1@118.364,35.499 ; v4@118.451,3.723 D13.1@121.158,3.723 ; D13.1@120.991,3.81 D11.1@125.643,3.81 ; v4(123.444,33.02) R100.1@123.444,35.499 ; D11.1@125.556,4.358 D11.1@125.643,4.445 ; v4(129.032,33.02) R99.1@129.032,35.499 ; Q16.3@132.066,26.483 132.066,28.053 134.112,30.099 v4(134.112,32.639) ; U9.8@134.747,123.571 134.747,125.476 135.509,126.238 C27.1@140.147,126.238 ; v6@135.763,126.492 v6(135.636,126.365) 140.02,126.365 C27.1@140.147,126.238 ; C24.1@135.829,109.22 135.829,111.826 ; 135.829,111.313 134.874,112.268 135.382,112.776 v6(136.144,112.776) ; v3(137.033,88.011) v3@137.112,88.011 ; C25.1@141.097,115.763 v7(143.19,115.763) ; R88.1@145.857,59.563 145.857,58.039 145.857,55.184 148.223,52.818 v4(152.273,52.818) Q12.3@156.651,52.818 ; R84.1@145.857,70.485 v4(148.463,70.485) ; R86.1@145.871,65.024 v4(148.463,65.024) ; R115.1@145.871,91.694 v4(148.59,91.694) ; R122.1@145.871,96.901 v4(148.463,96.901) ; R116.1@145.871,102.362 v4(148.336,102.362) ; R81.1@145.998,75.565 v4(148.59,75.565) v4@148.463,75.692 ; C26.1@148.971,120.904 152.527,120.904 153.477,121.854 LED21.2@153.477,123.571 LED10.2@153.477,126.238 153.477,127.701 152.781,128.397 140.589,128.397 140.147,127.955 C27.1@140.147,126.238 ; v4(153.416,106.045) 154.94,106.045 155.942,107.047 Q24.3@156.651,107.047 ; v4(153.543,72.644) 153.557,72.63 Q11.3@156.905,72.63 ; v4(153.543,89.662) 153.557,89.648 Q23.3@156.778,89.648
  Top Layer w1.016: Q3.3@23.816,51.844 22.761,51.844 21.336,50.419 21.336,46.101 22.225,45.212 28.321,45.212 v3(29.21,46.101) 29.464,45.847 R21.1@31.054,45.847 ; v3(29.21,41.021) 29.464,40.767 R20.1@31.054,40.767 ; v3(29.21,51.816) 29.464,51.562 R22.1@31.054,51.562 ; v3(29.21,56.769) R23.1@31.054,56.769
  Top Layer w1.5: Q4.3@23.816,69.624 28.801,69.624 v3(28.829,69.596) ; Q6.3@23.83,34.29 v4(28.067,34.29) ; v4(27.94,12.7) R54.1@30.099,12.7 ; v4(47.117,4.572) v3(47.117,12.065) ; v4@47.157,4.612 D9.1@51.562,4.612 D7.1@57.912,4.612 ; R112.1@54.991,35.753 v4(54.991,30.607) 54.991,29.182 55.739,28.434 Q20.3@55.739,26.356 ; R114.1@112.141,35.306 v4(112.141,33.274) 112.141,27.432 113.09,26.483 Q22.3@114.54,26.483
  Top Layer w2: D1.1@21.971,123.673 23.012,123.673 PT2.1@27.051,119.634 ; 25.222,121.463 29.083,117.602 C36.2@29.083,111.94 ; U1.1@46.609,102.882 46.609,106.553 48.608,108.552 ; C2.2@48.608,110.744 48.608,108.552 ; v3(48.768,106.553) 48.608,106.713 48.608,108.552
  Bottom Layer w0.508: v4(112.141,33.274) 112.141,37.719 v3(114.3,39.878)
  Bottom Layer w1: v4(28.067,34.29) 29.972,32.385 31.75,30.607 v4(54.991,30.607) ; v4(60.706,33.401) 57.912,30.607 v4(54.991,30.607) ; v4(65.786,33.528) 65.913,33.401 v4(70.993,33.401) 74.863,29.531 v1(74.863,26.356) 74.863,25.079 73.787,24.003 58.928,24.003 54.991,27.94 v4(54.991,30.607) ; 90.557,2.534 90.678,2.413 ; 128.778,42.291 129.032,42.037 v4(129.032,33.02) 131.445,33.02 131.826,32.639 v4(134.112,32.639) ; v3(137.033,88.011) 137.033,100.584 138.811,102.362 v4(148.336,102.362) ; 142.748,112.014 143.19,112.456 v7(143.19,115.763) ; v4(148.463,65.024) 151.384,62.103 163.576,62.103 ; v4(148.463,70.485) 148.59,70.612 148.59,72.644 ; v4(148.463,96.901) 158.877,96.901 159.131,97.155 ; v4(148.59,75.565) 148.59,72.644 ; v4(148.59,86.487) 148.59,89.408 ; v4(148.59,91.694) 148.59,89.408 ; v4(153.416,106.045) 159.131,106.045 ; 159.131,89.408 158.877,89.662 v4(153.543,89.662) 148.844,89.662 148.59,89.408 ; 163.576,72.136 163.068,72.644 v4(153.543,72.644) 148.59,72.644 ; 163.72,73.025 P7.2@176.403,73.025
  Bottom Layer w1.016: v4(27.051,18.796) 29.21,18.796 30.099,19.685 ; v4(27.94,12.7) 28.321,12.7 30.099,14.478 30.099,19.685 ; v4(28.067,34.29) 29.21,35.433 v3(29.21,41.021) v3(29.21,46.101) v3(29.21,51.816) v3(29.21,56.769) ; 29.972,32.385 29.972,26.289 v4(27.94,24.257) 29.591,24.257 30.099,23.749 30.099,19.685
  Bottom Layer w1.5: v4(27.94,12.7) 28.575,12.065 v3(47.117,12.065) ; v4(112.141,33.274) 118.11,33.274 v4(118.364,33.02) v4(123.444,33.02)
  Bottom Layer w1.524: 90.557,2.534 P12.2@90.557,6.096
  Bottom Layer w2: P2.2@4.191,54.154 18.415,54.154 ; P3.2@4.191,65.711 6.021,65.711 ; 6.858,110.796 7.747,110.796 10.16,108.383 10.16,69.85 6.021,65.711 ; v3(28.829,69.596) 31.496,66.929 31.496,59.055 v3(29.21,56.769) ; v4(118.364,33.02) 118.364,3.683 117.094,2.413 90.678,2.413 49.276,2.413 v4(47.117,4.572) 46.99,4.699 20.828,4.699 18.415,7.112 18.415,54.154 ; 119.761,33.274 118.364,34.671 118.364,40.386 120.269,42.291 128.778,42.291 140.589,42.291 152.781,30.099 168.338,30.099 ; 135.382,112.776 134.747,113.411 134.747,125.476 v6(135.636,126.365) ; 135.89,112.014 155.702,112.014 159.131,108.585 159.131,79.121 163.576,74.676 163.576,53.721 ; v4(152.273,52.818) 164.225,52.818 168.338,48.704 168.338,22.543 172.841,18.04 P13.2@176.022,18.04 ; 6.021,65.711 13.664,65.711 18.415,60.96 18.415,54.154
  Bottom Layer w2.5: P1.2@4.191,110.796 6.858,110.796 ; 7.747,110.796 27.939,110.796 C36.2@29.083,111.94 ; v3(48.768,106.553) 48.768,108.839 45.667,111.94 C36.2@29.083,111.94 ; P10.5@53.369,123.952 P10.6@49.409,123.952 49.409,126.359 47.752,128.016 ; P11.5@78.261,123.952 P11.6@74.301,123.952 74.301,127.248 73.533,128.016 47.752,128.016 ; C36.2@29.083,111.94 29.083,117.602 PT2.1@27.051,119.634 PT1.1@27.051,124.206 27.051,126.492 28.575,128.016 47.752,128.016
  other v1: 9.144,18.796 6.731,20.447 9.017,20.955 6.731,22.987 9.017,22.987 9.398,25.019 6.858,25.146 9.525,27.432 6.985,27.559 9.525,29.972 6.858,30.099 164.973,40.64 164.719,43.434 172.466,45.593 175.006,45.593 177.8,45.593 164.338,45.72 163.322,48.006 172.466,48.133 175.006,48.133 177.673,48.133 172.212,50.546 174.879,50.546 177.419,50.546 172.212,53.34 174.752,53.34 177.419,53.34 172.085,56.007 174.752,56.007 177.165,56.007 172.085,58.674 174.625,58.674 177.165,58.674 171.958,61.214 177.165,61.214 174.625,61.341 74.168,106.426 72.517,106.553
  other v4: 118.322,3.852